# Altium PCB mantarray_beta2_sensor_arrayed.PcbDoc (part 3 of 4)
Units mil, origin at the board's own origin, x right, y up, seen from the top; angles counter-clockwise.
Board outline 13674.34 x 20798.35 mil, 2 copper layers (Layer1_Top, Layer8_BOT); 47 components, 273 nets, 1821 pads, 734 vias.
Unrouted connection lines stored in the file: 1.
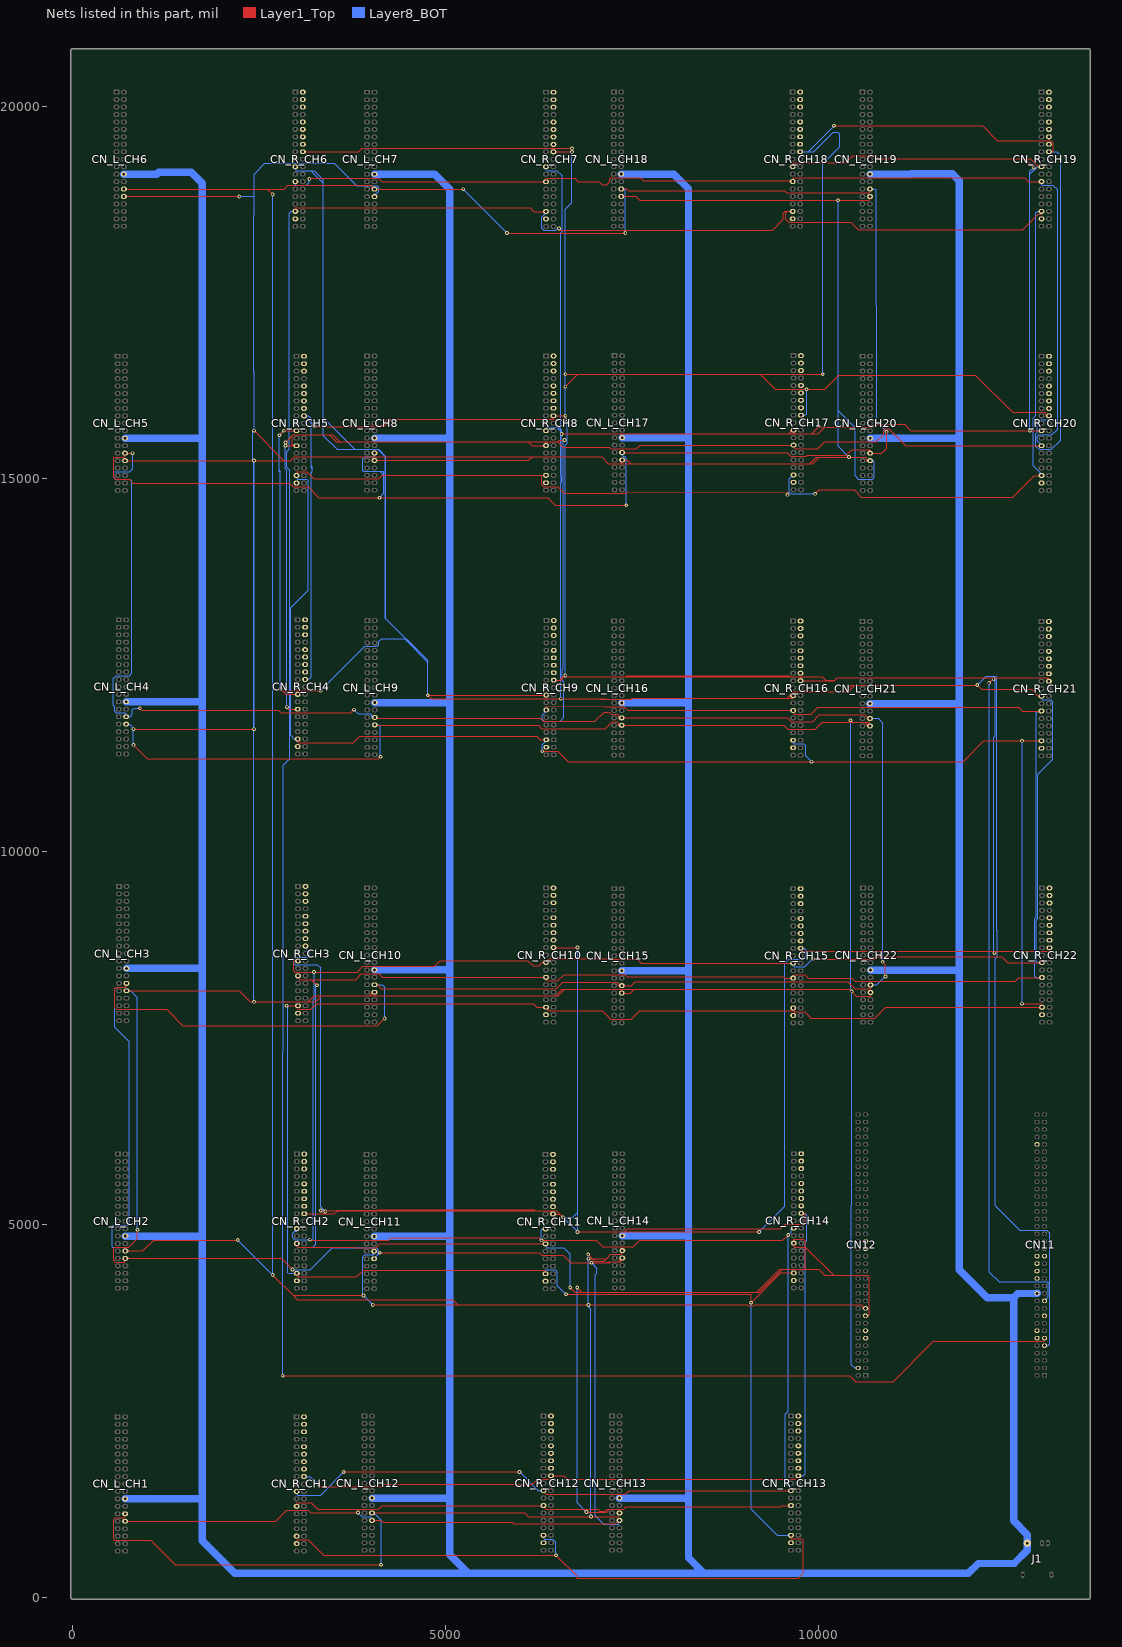
[diagram p3: the nets of this part, all layers, seen from the top]

## Via types
v1: diameter 50, hole 30, Layer1_Top to Layer8_BOT, 454 vias
v2: diameter 50, hole 25, Layer1_Top to Layer8_BOT, 278 vias
v3: diameter 70.87, hole 47.24, Layer1_Top to Layer8_BOT, 2 vias

## Nets (pads, with @x,y where several pads share a name; then routed paths per layer and width w, separated by ;. In a path a pad name is that pad's centre, name@x,y a point inside that pad or via, vN(x,y) a via of type N, cw(c..) or ccw(c..) an arc to the next point about the centre after c; other vN are vias at no path point) (continued)
I2C2_SCL: CN12.17 CN_R_CH1.25 CN_R_CH2.25 CN_R_CH3.25 CN_R_CH4.25 CN_R_CH5.25 CN_R_CH6.25 CN_R_CH7.25 CN_R_CH8.25 CN_R_CH9.25 CN_R_CH10.25 CN_R_CH11.25 CN_R_CH12.25 CN_R_CH13.25 CN_R_CH14.25 CN_R_CH15.25 CN_R_CH16.25 CN_R_CH17.25 CN_R_CH18.25 CN_R_CH19.25 CN_R_CH20.25 CN_R_CH21.25 CN_R_CH22.25 | length 79669.5
  Layer1_Top w10: v2(2851,15445.12) 2958.88,15445.12 ; v2(2851,15487) 2944,15580 ; v2(2871,11938) 2871,11929.66 2890.97,11909.69 CN_R_CH4.25@3015.14,11909.69 ; CN_R_CH5.25@2999.88,15445.12 2958.88,15445.12 ; CN_R_CH1.25@3000.91,1217.8 3000,1217.8 3000,1258 3010,1268 3198,1268 3287,1179 4096,1179 4145,1228 6312.87,1228 CN_R_CH12.25@6312.87,1228.58 6339,1228.58 6339,1193 6351,1181 7042.21,1181 7070.08,1153.13 7137.97,1153.13 7165.84,1181 7203,1181 ; CN_R_CH2.25@3003.88,4743.31 3003.88,4708.12 3020,4692 3767,4692 3771,4688 4066,4688 4116,4738 6226,4738 6226.43,4738.43 CN_R_CH11.25@6340.43,4738.43 ; CN_R_CH3.25@3019.57,8332.91 3019.57,8308 3044.57,8283 3199,8283 ; v2(3172,19023) 3183,19034 4101,19034 4148.54,18986.46 CN_R_CH7.25@6346.34,18986.46 6346.34,19020.34 6360,19034 6733,19034 6780,18987 7060,18987 7100,18947 7160,18947 7200,18987 7200,19016 7220,19036 7618,19036 7653,19001 CN_R_CH18.25@9655.39,19001 ; v2(3275,8207) 3199,8283 ; CN_R_CH9.25@6350.28,11899.84 6350.28,11948 7127,11946 7392,11946 7444.06,11893.94 CN_R_CH16.25@9661.3,11893.94 9661.3,11860 9675.3,11846 9903,11846 9991,11934 12685,11934 12732.94,11886.06 CN_R_CH21.25@12992.01,11886.06 ; v2(6594,15521) 6523,15521 6501,15499 6109.09,15499 ; v2(6672,4153) 6735,4090 6828,4090 ; v2(6765,4153) 6828,4090 ; v2(6889,1141) 7163,1141 7203,1181 ; CN_R_CH13.25@9631.77,1228.58 9511,1228.58 9494.42,1212 7418,1212 7387,1181 7203,1181 ; CN_R_CH18.25@9655.39,18988.43 CN_R_CH18.25@9655.39,19001 ; CN12.17@10633.8,3773.62 10670,3773.62 10685,3788.62 10685,4294 10660,4319 10203,4319 ; CN_R_CH19.25@12992.46,18987.8 12817.2,18987.8 12769,19036 9670,19036 9655.39,19021.39 CN_R_CH18.25@9655.39,19001 ; CN_R_CH20.25@12993.98,15445.12 11169.88,15445.12 10944,15671 10886,15671 10875,15660 10875,15592 10778,15495 10087,15495 9993,15401 9693.2,15401 9667.2,15427 CN_R_CH17.25@9667.2,15452 ; CN_R_CH22.25@12999.88,8311.26 12688,8311.26 12637.74,8261 10493,8261 10451,8303 9865,8303 9817,8351 9673.15,8351 9662.15,8340 CN_R_CH15.25@9662.15,8302.76 9549,8302.76 9532.76,8319 7438,8319 7406,8351 6592,8351 6506,8265 6369.17,8265 6358.84,8275.33 6349.67,8275.33 6346.34,8278.66 CN_R_CH10.25@6346.34,8313.23 6225.77,8313.23 6225,8314 4148,8314 4101,8361 3871,8361 3793,8283 3199,8283 ; 2944,15580 2944,15460 2958.88,15445.12 ; 2944,15580 2957,15593 3436,15593 ; 3436,15593 3483,15593 3577,15499 ; 3436,15593 3530,15499 3577,15499 ; 3577,15499 6109.09,15499 ; 6109.09,15499 6161,15447.09 CN_R_CH8.25@6346.34,15447.09 6346.34,15481.34 6360,15495 6501,15495 6574,15422 7196,15422 7214,15404 7560,15404 7608,15452 CN_R_CH17.25@9667.2,15452 ; 6828,4090 9173,4090 ; 9173,4090 9207,4090 9515,4398 ; 9173,4090 9481,4398 9515,4398 ; 9515,4398 9804,4398 ; CN_R_CH17.25@9667.2,15452 9668,15452 9668,15452.99 CN_R_CH17.25@9667.2,15452.99 CN_R_CH17.25@9667.2,15452 ; 9804,4398 10004,4398 10083,4319 10203,4319 ; 9804,4398 9826,4420 9826,4696 ; 9826,4696 9826,4772 9800,4798 9670.02,4798 CN_R_CH14.25@9670.02,4748.03 9670.02,4710 9684.02,4696 9826,4696 ; 9826,4696 10203,4319
  Layer8_BOT w10: v2(2851,15487) v2(2851,15445.12) 2851,15136 ; v2(2871,11938) 2871,15115.69 ; CN_R_CH6.25@2984.19,18987.8 2984.19,18950 2996.19,18938 3131,18938 3172,18979 v2(3172,19023) ; CN_R_CH2.25@3003.88,4743.31 3003.88,4709.12 3020,4693 3216.09,4693 3255,4731.91 3255,8187 v2(3275,8207) ; CN_R_CH11.25@6340.43,4738.43 6340.43,4700 6351.43,4689 6585,4689 6672,4602 v2(6672,4153) ; CN_R_CH9.25@6350.28,11899.84 6338,11899.84 6338,11869 6295.28,11826.28 6295.28,11776.72 6320,11752 6538,11752 6586,11800 6586,12278 6566,12298 6566,12438 6576,12448 6576,14875 6580,14879 6580,15507 v2(6594,15521) ; v2(6765,4153) 6765,1265 v2(6889,1141) ; CN_R_CH21.25@12992.01,11886.06 12949.06,11886.06 12924,11861 12924,9117.88 12904.88,9098.76 12904.88,8330.38 12924,8311.26 CN_R_CH22.25@12999.88,8311.26 ; CN_R_CH19.25@12992.46,18987.8 12992.46,18950 13006.46,18936 13147,18936 13208,18875 13208,15669 13132,15593 12960,15593 12938.98,15571.98 12938.98,15511.14 12993.98,15456.14 CN_R_CH20.25@12993.98,15445.12 ; 2851,15136 2871,15116 2871,15115.69 ; 2851,15136 2851,15135.69 2871,15115.69
I2C2_SDA: CN11.21 CN_R_CH1.18 CN_R_CH2.18 CN_R_CH3.18 CN_R_CH4.18 CN_R_CH5.18 CN_R_CH6.18 CN_R_CH7.18 CN_R_CH8.18 CN_R_CH9.18 CN_R_CH10.18 CN_R_CH11.18 CN_R_CH12.18 CN_R_CH13.18 CN_R_CH14.18 CN_R_CH15.18 CN_R_CH16.18 CN_R_CH17.18 CN_R_CH18.18 CN_R_CH19.18 CN_R_CH20.18 CN_R_CH21.18 CN_R_CH22.18 | length 101870.7
  Layer1_Top w10: CN_R_CH6.18@3084.19,19387.8 3837.8,19387.8 3884,19434 6432.34,19434 ; CN_R_CH2.18@3103.88,5143.31 3358.31,5143.31 ; v2(3240.16,15706.69) 3247.26,15699.59 3953.84,15699.59 ccw(c3953.84,15747.09) 3986.92,15713 4005.76,15713 ccw(c4038.84,15747.09) 4038.84,15699.59 4053.84,15699.59 ccw(c4053.84,15747.09) 4086.92,15713 4138,15713 ; v2(3290,1515) 3324,1481 4135,1481 4165,1511 6165,1511 6233,1579 6401.87,1579 6412.87,1590 CN_R_CH12.18@6412.87,1628.58 6587.42,1628.58 6635,1581 9682,1581 9729.58,1628.58 CN_R_CH13.18@9731.77,1628.58 ; v2(3324,5186) 3550,5186 ; v2(3387,5172) 3358.31,5143.31 ; CN_R_CH10.18@6446.34,8713.23 v2(6770,8713.23) ; CN_R_CH9.18@6450.28,12299.84 6528.84,12299.84 ; v2(6573,5096) 6530.57,5138.43 ; v2(6606,15797) 6426,15797 ; v2(6606,15847.09) CN_R_CH8.18@6446.34,15847.09 6439,15847.09 6439,15810 6426,15797 ; v2(6606,16237) 6772,16403 ; v2(6606,16403) 6772,16403 ; v2(6695,19386.46) CN_R_CH7.18@6446.34,19386.46 6446.34,19420 6432.34,19434 ; v2(6695,19434) 6432.34,19434 ; v2(6770,4899) 7401,4899 ; v2(9204.31,4899) 7401,4899 ; CN_R_CH15.18@9762.15,8702.76 9767,8702.76 9767,8663 12405,8663 ; CN_R_CH14.18@9770.02,5148.03 9826,5148.03 9826,5020 9805,4999 9552,4999 9493,4940 7442,4940 7401,4899 ; v2(10059,16403) 9223,16403 ; v2(10211,19736) 12202,19736 12400,19538 13117,19538 13148,19507 13148,19400 13135.8,19387.8 CN_R_CH19.18@13092.46,19387.8 ; v2(12291,12264) 12351,12324 v2@12341,12334 ; v2(12351,12314) 12371,12334 ; v2(12360,8638) 12360,8618 12405,8663 ; CN_R_CH21.18@13092.01,12286.06 CN_R_CH21.18@13092.01,12310 ; CN_R_CH20.18@13093.98,15845.12 13053,15845.12 13041,15893 12605,15893 12105,16393 10273,16393 10083,16203 v2(9842,16203) 9423,16203 9223,16403 ; CN_R_CH22.18@13099.88,8711.26 13099.88,8663 12405,8663 ; 3358.31,5143.31 3507.31,5143.31 3550,5186 ; 3550,5186 6196,5186 ; 3550,5186 3554,5190 4095,5190 4098,5193 6189,5193 6196,5186 ; 4138,15713 4124,15699 4173,15699 4271,15797 ; 4138,15713 4222,15797 4271,15797 ; 4271,15797 6426,15797 ; 6196,5186 6388,5186 ; 6388,5186 6483,5186 6530.57,5138.43 ; 6388,5186 6435.57,5138.43 CN_R_CH11.18@6440.43,5138.43 6530.57,5138.43 ; 6528.84,12299.84 6541.84,12299.84 6587,12345 ; 6528.84,12299.84 6574,12345 6587,12345 ; 6587,12345 9622,12345 ; 6587,12345 v2(6606,12364) 6624,12346 7416,12346 7431,12361 9606,12361 9622,12345 ; 6772,16403 9223,16403 ; 9622,12345 9750,12345 ; 9750,12345 10050,12345 10097,12298 10217,12298 ; 9750,12345 9761.3,12333.7 CN_R_CH16.18@9761.3,12293.94 10212.94,12293.94 10217,12298 ; 10217,12298 10253,12334 v2@12341,12334 ; v2@12341,12334 12371,12334 ; 12371,12334 13068.01,12334 ; 13068.01,12334 13080,12334 13092.01,12321.99 CN_R_CH21.18@13092.01,12310 ; 13068.01,12334 CN_R_CH21.18@13092.01,12310
  Layer8_BOT w10: CN_R_CH1.18@3100.91,1617.8 3187.2,1617.8 v2(3290,1515) ; CN_R_CH4.18@3115.14,12309.69 3162.69,12309.69 3195,12342 3195,15074 ; CN_R_CH3.18@3119.57,8732.91 3119.57,8712 3174.57,8657 3174.57,8605.57 3151,8582 2986.57,8582 2964.57,8560 2964.57,8500 2981.57,8483 3281,8483 3324,8440 3324,5235 3348.5,5210.5 ; 3195,15077 3195,15074 ; 3195,15742.88 3195,15750 ; 3198,15077 3198,15090.29 3209.23,15101.52 3209.23,15112 3209.23,15134.66 ; 3198,15739.88 3198,15710.76 3198.82,15709.94 3198.82,15172.18 ; 3202.76,15173 3202.76,15168.24 ; v2(3240.16,15706.69) 3238.31,15706.69 3195,15750 ; v2(3324,5186) 3348.5,5210.5 ; v2(3387,5172) 3348.5,5210.5 ; v2(6606,12364) 6606,15453.06 6634.18,15481.23 6634.18,15768.82 v2(6606,15797) v2(6606,15847.09) v2(6606,16237) v2(6606,16403) 6606,18614 6695,18703 v2(6695,19386.46) v2(6695,19434) ; v2(6770,8713.23) 6770,5160 ; v2(9204.31,4899) 9546,5240.69 9546,8496 9605,8555 9791,8555 9836,8600 9836,8680 9813.24,8702.76 CN_R_CH15.18@9762.15,8702.76 ; CN_R_CH13.18@9731.77,1628.58 9800,1628.58 9826,1654.58 9826,4761.51 9845.02,4780.53 9845.02,5123.01 9820,5148.03 CN_R_CH14.18@9770.02,5148.03 ; CN_R_CH18.18@9755.39,19388.43 9863.43,19388.43 ; CN_R_CH17.18@9767.2,15852.99 9820,15852.99 9842,15874.99 v2(9842,16203) ; v2(10059,16403) 10059,19224 10290,19455 10290,19620 10261,19649 10200,19649 9939.43,19388.43 9863.43,19388.43 ; v2(10211,19736) 9863.43,19388.43 ; v2(12291,12264) 12291,4360 12423,4228 13073,4228 13085,4216 13085,4029 13062,4006 13062,3973.62 CN11.21@13033.8,3973.62 ; v2(12351,12314) 12371,12294 12371,11553 12351,11533 12351,8647 v2(12360,8638) ; CN_R_CH19.18@13092.46,19387.8 13200,19387.8 13248,19339.8 13248,15519 13126,15397 12962,15397 12918.98,15440.02 12918.98,15601.98 12938.98,15621.98 12938.98,15771.59 12960,15792.62 13070,15792.62 13086,15808.62 13086,15845.12 CN_R_CH20.18@13093.98,15845.12 ; 3195,15074 3214,15093 3214,15101.52 3214,15112 3214,15134.66 ; 3195,15750 3195,15805.12 3155,15845.12 CN_R_CH5.18@3099.88,15845.12 3195,15750 ; 3202.76,15168.24 3214,15157 3214,15134.66 ; 3202.76,15168.24 3198,15173 3198,15168.24 3198,15150.66 3214,15134.66 ; 6770,5160 v2(6770,4899) v2(6573,5096) 6706,5096 6770,5160
IOREF: CN11.12
MDC_BUZZ: CN12.11
MDC_CTS: CN11.17
MDC_LED: CN11.32
MDC_PD: CN12.13
MDC_RTS: CN11.34
MDC_RXD: CN11.28
MDC_TRIG: CN12.35
MDC_TXD: CN11.30
MDC_WAKE: CN12.37
NetCN11_64: CN11.64
NRST: CN11.14
PA11_CH1: CN_R_CH1.14
PA11_CH2: CN_R_CH2.14
PA11_CH3: CN_R_CH3.14
PA11_CH4: CN_R_CH4.14
PA11_CH5: CN_R_CH5.14
PA11_CH6: CN_R_CH6.14
PA11_CH7: CN_R_CH7.14
PA11_CH8: CN_R_CH8.14
PA11_CH9: CN_R_CH9.14
PA11_CH10: CN_R_CH10.14
PA11_CH11: CN_R_CH11.14
PA11_CH12: CN_R_CH12.14
PA11_CH13: CN_R_CH13.14
PA11_CH14: CN_R_CH14.14
PA11_CH15: CN_R_CH15.14
PA11_CH16: CN_R_CH16.14
PA11_CH17: CN_R_CH17.14
PA11_CH18: CN_R_CH18.14
PA11_CH19: CN_R_CH19.14
PA11_CH20: CN_R_CH20.14
PA11_CH21: CN_R_CH21.14
PA11_CH22: CN_R_CH22.14
PA12_CH1: CN_R_CH1.12
PA12_CH2: CN_R_CH2.12
PA12_CH3: CN_R_CH3.12
PA12_CH4: CN_R_CH4.12
PA12_CH5: CN_R_CH5.12
PA12_CH6: CN_R_CH6.12
PA12_CH7: CN_R_CH7.12
PA12_CH8: CN_R_CH8.12
PA12_CH9: CN_R_CH9.12
PA12_CH10: CN_R_CH10.12
PA12_CH11: CN_R_CH11.12
PA12_CH12: CN_R_CH12.12
PA12_CH13: CN_R_CH13.12
PA12_CH14: CN_R_CH14.12
PA12_CH15: CN_R_CH15.12
PA12_CH16: CN_R_CH16.12
PA12_CH17: CN_R_CH17.12
PA12_CH18: CN_R_CH18.12
PA12_CH19: CN_R_CH19.12
PA12_CH20: CN_R_CH20.12
PA12_CH21: CN_R_CH21.12
PA12_CH22: CN_R_CH22.12
PB12_CH1: CN_R_CH1.16
PB12_CH2: CN_R_CH2.16
PB12_CH3: CN_R_CH3.16
PB12_CH4: CN_R_CH4.16
PB12_CH5: CN_R_CH5.16
PB12_CH6: CN_R_CH6.16
PB12_CH7: CN_R_CH7.16
PB12_CH8: CN_R_CH8.16
PB12_CH9: CN_R_CH9.16
PB12_CH10: CN_R_CH10.16
PB12_CH11: CN_R_CH11.16
PB12_CH12: CN_R_CH12.16
PB12_CH13: CN_R_CH13.16
PB12_CH14: CN_R_CH14.16
PB12_CH15: CN_R_CH15.16
PB12_CH16: CN_R_CH16.16
PB12_CH17: CN_R_CH17.16
PB12_CH18: CN_R_CH18.16
PB12_CH19: CN_R_CH19.16
PB12_CH20: CN_R_CH20.16
PB12_CH21: CN_R_CH21.16
PB12_CH22: CN_R_CH22.16
PC5_CH1: CN_R_CH1.6
PC5_CH2: CN_R_CH2.6
PC5_CH3: CN_R_CH3.6
PC5_CH4: CN_R_CH4.6
PC5_CH5: CN_R_CH5.6
PC5_CH6: CN_R_CH6.6
PC5_CH7: CN_R_CH7.6
PC5_CH8: CN_R_CH8.6
PC5_CH9: CN_R_CH9.6
PC5_CH10: CN_R_CH10.6
PC5_CH11: CN_R_CH11.6
PC5_CH12: CN_R_CH12.6
PC5_CH13: CN_R_CH13.6
PC5_CH14: CN_R_CH14.6
PC5_CH15: CN_R_CH15.6
PC5_CH16: CN_R_CH16.6
PC5_CH17: CN_R_CH17.6
PC5_CH18: CN_R_CH18.6
PC5_CH19: CN_R_CH19.6
PC5_CH20: CN_R_CH20.6
PC5_CH21: CN_R_CH21.6
PC5_CH22: CN_R_CH22.6
PC6_CH1: CN_R_CH1.4
PC6_CH2: CN_R_CH2.4
PC6_CH3: CN_R_CH3.4
PC6_CH4: CN_R_CH4.4
PC6_CH5: CN_R_CH5.4
PC6_CH6: CN_R_CH6.4
PC6_CH7: CN_R_CH7.4
PC6_CH8: CN_R_CH8.4
PC6_CH9: CN_R_CH9.4
PC6_CH10: CN_R_CH10.4
PC6_CH11: CN_R_CH11.4
PC6_CH12: CN_R_CH12.4
PC6_CH13: CN_R_CH13.4
PC6_CH14: CN_R_CH14.4
PC6_CH15: CN_R_CH15.4
PC6_CH16: CN_R_CH16.4
PC6_CH17: CN_R_CH17.4
PC6_CH18: CN_R_CH18.4
PC6_CH19: CN_R_CH19.4
PC6_CH20: CN_R_CH20.4
PC6_CH21: CN_R_CH21.4
PC6_CH22: CN_R_CH22.4
PC8_CH1: CN_R_CH1.2
PC8_CH2: CN_R_CH2.2
PC8_CH3: CN_R_CH3.2
PC8_CH4: CN_R_CH4.2
PC8_CH5: CN_R_CH5.2
PC8_CH6: CN_R_CH6.2
PC8_CH7: CN_R_CH7.2
PC8_CH8: CN_R_CH8.2
PC8_CH9: CN_R_CH9.2
PC8_CH10: CN_R_CH10.2
PC8_CH11: CN_R_CH11.2
PC8_CH12: CN_R_CH12.2
PC8_CH13: CN_R_CH13.2
PC8_CH14: CN_R_CH14.2
PC8_CH15: CN_R_CH15.2
PC8_CH16: CN_R_CH16.2
PC8_CH17: CN_R_CH17.2
PC8_CH18: CN_R_CH18.2
PC8_CH19: CN_R_CH19.2
PC8_CH20: CN_R_CH20.2
PC8_CH21: CN_R_CH21.2
PC8_CH22: CN_R_CH22.2
PD8_CH1: CN_R_CH1.10
PD8_CH2: CN_R_CH2.10
PD8_CH3: CN_R_CH3.10
PD8_CH4: CN_R_CH4.10
PD8_CH5: CN_R_CH5.10
PD8_CH6: CN_R_CH6.10
PD8_CH7: CN_R_CH7.10
PD8_CH8: CN_R_CH8.10
PD8_CH9: CN_R_CH9.10
PD8_CH10: CN_R_CH10.10
PD8_CH11: CN_R_CH11.10
PD8_CH12: CN_R_CH12.10
PD8_CH13: CN_R_CH13.10
PD8_CH14: CN_R_CH14.10
PD8_CH15: CN_R_CH15.10
PD8_CH16: CN_R_CH16.10
PD8_CH17: CN_R_CH17.10
PD8_CH18: CN_R_CH18.10
PD8_CH19: CN_R_CH19.10
PD8_CH20: CN_R_CH20.10
PD8_CH21: CN_R_CH21.10
PD8_CH22: CN_R_CH22.10
PROGRAMMER_RX: CN11.9 CN_R_CH1.21 CN_R_CH2.21 CN_R_CH3.21 CN_R_CH4.21 CN_R_CH5.21 CN_R_CH6.21 CN_R_CH7.21 CN_R_CH8.21 CN_R_CH9.21 CN_R_CH10.21 CN_R_CH11.21 CN_R_CH12.21 CN_R_CH13.21 CN_R_CH14.21 CN_R_CH15.21 CN_R_CH16.21 CN_R_CH17.21 CN_R_CH18.21 CN_R_CH19.21 CN_R_CH20.21 CN_R_CH21.21 CN_R_CH22.21 | length 99002.6
  Layer1_Top w10: v2(2771,15586) v2(2830.12,15645.12) CN_R_CH5.21@2999.88,15645.12 ; v2(2784,12183) 2784,12178.6 2852.91,12109.69 CN_R_CH4.21@3015.14,12109.69 3015.14,12143.14 3030,12158 ; 2804.6,12158 2810.5,12158 3030,12158 ; CN_R_CH3.21@3019.57,8532.91 2976.91,8532.91 2964,8520 2964,8400 2979,8385 v2(3235,8385) 3815,8385 3891,8461 4852.12,8461 4930.12,8539 6103.8,8539 6173,8469.8 6253,8469.8 6296.42,8513.23 CN_R_CH10.21@6346.34,8513.23 6378,8513.23 6378,8548 6391,8561 7201,8561 7207,8555 7573,8555 7625.24,8502.76 CN_R_CH15.21@9662.15,8502.76 ; v2(3179,4795) 3184,4790 4238,4790 4267,4819 6252,4819 v2(6285,4786) 7020,4786 7106,4700 7518,4700 7602,4784 9523,4784 v2(9595,4856) ; v2(3320,12158) 3030,12158 ; v2(3633,1679) v2(5992,1679) ; v2(4760,12098) 4806,12052 6350.28,12052 ; v2@4760,12099.84 CN_R_CH9.21@6350.28,12099.84 6350.28,12052 ; CN_R_CH12.21@6312.87,1428.58 6337,1428.58 6337,1393 6351,1379 7411,1379 7461,1429 9496.58,1429 9497,1428.58 CN_R_CH13.21@9631.77,1428.58 ; v2(6556,15603) 9600,15603 ; CN_R_CH18.21@9655.39,19188.43 9655.39,19224.39 9670,19239 10365,19239 10462,19336 10760,19336 10803,19293 12771,19293 ; v2(9927,8564) 9932,8559 10749,8559 10780,8590 12458.92,8590 12537.66,8511.26 CN_R_CH22.21@12999.88,8511.26 ; v2@12838,15645 11242,15645 11241.88,15645.12 ; v2(12889,19175) 12771,19293 ; CN_R_CH21.21@12992.01,12086.06 12949.94,12086.06 12860,12176 12189,12176 v2(12131,12234) 10489,12234 ; CN_R_CH19.21@12992.46,19187.8 12949.2,19187.8 12844,19293 12771,19293 ; CN_R_CH20.21@12993.98,15645.12 v2(12838,15645.12) 11241.88,15645.12 ; 6350.28,12052 v2(6546,12052) 7064,12052 ; 7064,12052 7146,12052 7152,12046 ; 7064,12052 7070,12046 7152,12046 ; 7152,12046 7154,12044 7496,12044 7512,12060 ; 7152,12046 7484,12046 7498,12060 7512,12060 ; 7512,12060 9584,12060 ; 9584,12060 9668,12144 9675.3,12144 ; 9584,12060 9661.3,12060 CN_R_CH16.21@9661.3,12093.94 9661.3,12130 9675.3,12144 ; 9600,15603 9998,15603 10088,15693 ; 9600,15603 9632.2,15635.2 9632.2,15652.99 CN_R_CH17.21@9667.2,15652.99 9667.2,15617.8 9680,15605 9912,15605 10000,15693 10088,15693 ; 9675.3,12144 10354,12144 ; 10088,15693 10758,15693 ; 10354,12144 10399,12144 10489,12234 ; 10354,12144 10444,12234 10489,12234 ; 10758,15693 10758.86,15693 10796.86,15731 ; 10758,15693 10796,15731 10796.86,15731 ; 10796.86,15731 11156,15731 11241.88,15645.12
  Layer8_BOT w10: v2(2784,12183) 2784,15085 ; v2(2830.12,15645.12) v2(2771,15586) 2771,15114 ; CN_R_CH6.21@2984.19,19187.8 2984.19,19150 2998.19,19136 3191.4,19136 ; CN_R_CH1.21@3000.91,1417.8 3000.91,1380 3012.91,1368 3322,1368 v2(3633,1679) ; CN_R_CH2.21@3003.88,4943.31 3003.88,4905.88 2973.88,4905.88 2948.88,4880.88 2948.88,4820 2973.88,4795 v2(3179,4795) 3222,4795 3225,4798 3225,8013 3235,8023 v2(3235,8385) ; v2(3320,12158) 3914,12752 4080,12752 4106,12778 4106,12820 4140,12854 4449,12854 4760,12543 ; v2(4760,12098) 4760,12099.84 4760,12543 ; v2(5992,1679) 6242.42,1428.58 CN_R_CH12.21@6312.87,1428.58 ; v2(6285,4786) 6285,4923.43 6300,4938.43 CN_R_CH11.21@6340.43,4938.43 ; CN_R_CH8.21@6346.34,15647.09 6346.34,15681.34 6360,15695 6491,15695 ; CN_R_CH7.21@6346.34,19186.46 6346.34,19147.66 6360,19134 6492,19134 6561.34,19064.66 6561.34,18320 6546,18304.66 6546,15668 ; v2(6546,12052) 6546,14947.02 6554,14955.02 ; CN_R_CH13.21@9631.77,1428.58 9620.77,1481 9600,1481 9556,1525 9556,2456 9595,2495 v2(9595,4856) 9635,4896 9635,4948.03 CN_R_CH14.21@9670.02,4948.03 ; CN_R_CH15.21@9662.15,8502.76 9662.15,8470 9677.15,8455 9818,8455 v2(9927,8564) ; v2(12131,12234) 12251,12354 12380,12354 12391,12343 12391,8947 12401,8937 12401,8593 12371,8563 12371,5251 12698,4924 13061,4924 13105,4880 13105,3398.62 13080,3373.62 CN11.9@13033.8,3373.62 ; v2@12838,15645 v2(12838,15645.12) 12838,19085 ; v2(12889,19175) 12838,19124 12838,19085 ; CN_R_CH21.21@12992.01,12086.06 12992.01,12050 13008.01,12034 13120,12034 13147.01,12006.99 13147.01,11239 12944,11035.99 12944,9097.88 12924.88,9078.76 12924.88,8526.38 12940,8511.26 CN_R_CH22.21@12999.88,8511.26 ; CN_R_CH19.21@12992.46,19187.8 12940.8,19187.8 12838,19085 ; 2771,15114 2784,15101 2784,15085 ; 2771,15114 2771,15098 2784,15085 ; 3191.4,19136 3235,19136 3360,19011 3360,18967.4 ; 3191.4,19136 3360,18967.4 ; 3360,15819 3360,15579 3544,15395 3784,15395 ; 3360,15819 3360,18967.4 ; 3360,15819 3784,15395 ; 3784,15395 4092,15395 ; 4092,15395 4101,15395 4200,15296 4200,13124 ; 4092,15395 4191,15296 4191,13133 4200,13124 ; 4200,13124 4760,12564 4760,12543 ; 6491,15695 6546,15640 ; 6491,15695 6519,15695 6546,15668 ; v2@6546,15613 6546,15041 6554,15033 ; v2@6546,15613 6546,15640 ; v2@6546,15613 v2@6554,15605 ; 6546,15640 6554,15632 v2@6554,15605 ; 6546,15640 6546,15668 ; 6546,15668 6556,15658 v2(6556,15603) v2@6554,15605 ; 6554,14955.02 6559.98,14961 6559.98,15027.02 6554,15033 ; 6554,14955.02 6554,15033 ; 6554,15033 v2@6554,15605
PROGRAMMER_TX: CN11.11 CN_R_CH1.33 CN_R_CH2.33 CN_R_CH3.33 CN_R_CH4.33 CN_R_CH5.33 CN_R_CH6.33 CN_R_CH7.33 CN_R_CH8.33 CN_R_CH9.33 CN_R_CH10.33 CN_R_CH11.33 CN_R_CH12.33 CN_R_CH13.33 CN_R_CH14.33 CN_R_CH15.33 CN_R_CH16.33 CN_R_CH17.33 CN_R_CH18.33 CN_R_CH19.33 CN_R_CH20.33 CN_R_CH21.33 CN_R_CH22.33 | length 103521.3
  Layer1_Top w10: v2(2814,2970) 10422,2970 10502,2890 11005,2890 11544,3429 13022.8,3429 13033.8,3440 CN11.11@13033.8,3473.62 ; v2(2865,7932.91) CN_R_CH3.33@3019.57,7932.91 3019.57,7893.43 3030,7883 3191,7883 3269,7961 4093,7961 4094,7960 6178.23,7960 6225,7913.23 CN_R_CH10.33@6346,7913.23 ; CN_R_CH6.33@2984.19,18587.8 2984.19,18636 6133,18636 6182.54,18586.46 CN_R_CH7.33@6346.34,18586.46 ; CN_R_CH5.33@2999.88,15045.12 2999.88,15082.88 3010,15093 3137.76,15093 3231.76,14999 4102,14999 4150.09,15047.09 6291,15047.09 ; CN_R_CH1.33@3000.91,817.8 3000.91,780 3012.91,768 3157,768 3363,562 v2(6480,562) 6764,278 6764,256 9732,256 9796,320 9796,760 9775,781 9631.77,781 CN_R_CH13.33@9631.77,828.58 ; CN_R_CH2.33@3003.88,4343.31 3003.88,4310 3018.88,4295 3809,4295 3900,4386 6330,4386 6340.43,4375.57 CN_R_CH11.33@6340.43,4338.43 ; CN_R_CH4.33@3015.14,11509.69 3015.14,11476.86 3030,11462 3763,11462 3851,11550 6222,11550 6272.16,11499.84 CN_R_CH9.33@6350.28,11499.84 ; v2(6295.28,11348) 6505,11348 6646,11207 v2(9908,11207) 11940,11207 12219.06,11486.06 v2(12732,11486.06) CN_R_CH21.33@12992.01,11486.06 ; CN_R_CH10.33@6346.34,7913.23 CN_R_CH10.33@6346,7913.23 ; CN_R_CH8.33@6346.34,15047.09 6291,15047.09 ; v2(6521,18360) 6543,18338 9385,18338 9527,18480 9527,18560 9555.43,18588.43 9580,18588.43 ; v2(6614,4062) 9097,4062 v2(9097,3949) 9496.03,4348.03 CN_R_CH14.33@9670.02,4348.03 ; v2(9586,14786) 9586,14823.71 7442.51,14826 7422,14805.49 6590.51,14805.49 6501,14895 6316,14895 6291,14920 6291,15047.09 ; CN_R_CH18.33@9655.39,18588.43 9580,18588.43 ; CN_R_CH15.33@9662.15,7902.76 9662.15,7868.85 ; v2(9956,14799) 10009,14852 10480,14852 10577,14755 12605,14755 12895.12,15045.12 CN_R_CH20.33@12993.98,15045.12 ; v2(12732,7961) 12988.88,7961 12999.88,7950 CN_R_CH22.33@12999.88,7911.26 12992,7911.26 12992,7912 10904,7912 10755,7763 9905,7763 9817,7851 9680,7851 9662.15,7868.85 ; CN_R_CH19.33@12992.46,18587.8 12992.46,18550 12949,18550 12739,18340 10537,18340 10437,18440 9600,18440 9560,18480 9560,18568.43 9580,18588.43 ; CN_R_CH10.33@6346,7913.23 6346,7892 6364,7892 6391,7865 7104,7865 7217,7752 7491,7752 7607,7868 9662.15,7868 9662.15,7868.85
  Layer8_BOT w10: v2(2814,2970) 2814,7310 2822,7318 2822,11158 2911,11247 2911,15115.69 2871,15155.69 2871,15366.12 2904,15399.12 2904,18560 2931.8,18587.8 CN_R_CH6.33@2984.19,18587.8 ; v2(2865,7932.91) 2885,7912.91 2885,4350.96 2892.65,4343.31 CN_R_CH2.33@3003.88,4343.31 ; CN_R_CH5.33@2999.88,15045.12 2999.88,15005.12 3010,14995 3140,14995 3155,14980 3155,13505 2920.14,13270.14 2920.14,11559.55 2970,11509.69 CN_R_CH4.33@3015.14,11509.69 ; v2(6295.28,11348) 6295.28,11432 6350.28,11487 CN_R_CH9.33@6350.28,11499.84 ; CN_R_CH12.33@6312.87,828.58 6312.87,790 6325.87,777 6440,777 6480,737 v2(6480,562) ; CN_R_CH11.33@6340.43,4338.43 6340.43,4388 6471,4388 6499,4360 6499,4177 v2(6614,4062) ; CN_R_CH7.33@6346.34,18586.46 6346.34,18563 6291,18507.66 6291,18360 6313,18338 6480,18338 6502,18360 v2(6521,18360) ; v2(9097,3949) 9097,1179 9447.42,828.58 CN_R_CH13.33@9631.77,828.58 ; v2(9586,14786) 9612.2,14820 ; CN_R_CH16.33@9661.3,11493.94 9661.3,11460 9675.3,11446 9802,11446 9828,11420 9828,11287 v2(9908,11207) ; CN_R_CH17.33@9667.2,15052.99 9665.2,15052.99 9612.2,15000 9612.2,14820 ; v2(9956,14799) 9633.2,14799 9612.2,14820 ; v2(12732,7961) v2(12732,11486.06) ; CN_R_CH19.33@12992.46,18587.8 12940,18587.8 12918.98,18566.77 12918.98,15852.62 12878.98,15812.62 12878.98,15179.02 12973,15085 12973,15045.12 CN_R_CH20.33@12993.98,15045.12